# KiCad board DQBSCEEEEEE.kicad_pcb (continued)
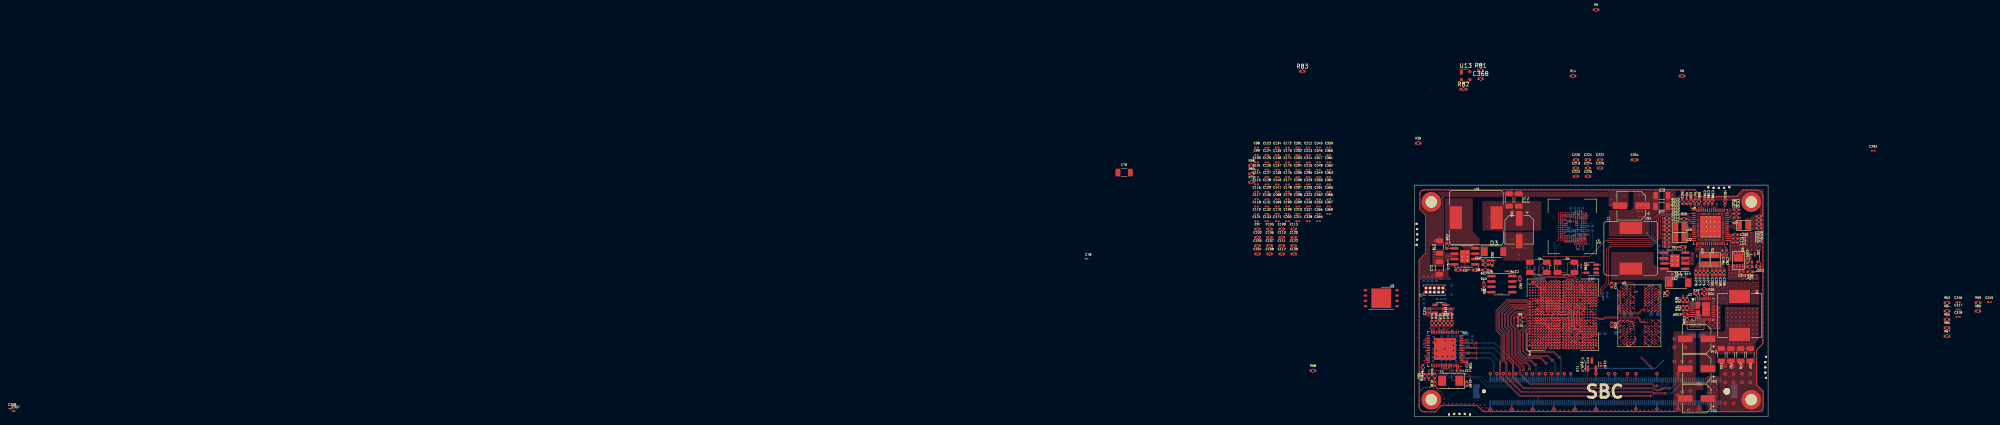
[diagram p0: board, top side]
## Library data of the parts
C46 C51 C54 C66 C67 = -: Part Number: GYC1H330MCW1GS; Voltage: 30V
C47 C49 C52 C53 C71 C73 C74 C77 = -: Description: Unpolarized capacitor; VOLTAGE: 30V
C48 C50 C55 C56 C58-C60 C62-C64 C72 C75 C76 C78 C79 C279 C357 C358 = -: Description: Unpolarized capacitor; VOLTAGE: 16V
C57 C61 C354 = -: Description: Unpolarized capacitor; VOLTAGE: 10V
C83-C141 C168-C181 C190 C199-C215 C246-C257 C295 C315 C319 C320 C323 C336-C338 C345-C353 C355 C356 C359-C367 C369 = -: Description: Unpolarized capacitor, small symbol; Voltage: 6.3V
C166 C167 C182-C189 C191-C198 C217-C245 C258-C278 C281-C288 C290-C294 C296-C314 C316-C318 C321 C322 C324-C326 C328-C335 C339-C344 C368 = -: Description: Unpolarized capacitor, small symbol; Voltage: V
C327 = -: Description: Unpolarized capacitor, small symbol; Voltage: 10V
D1-D4 = -: Description: Schottky diode
FB2 FB4 = -: Description: Ferrite bead, small symbol
H1-H4 = -: Description: Mounting Hole with connection
J2 = -: Description: Generic connector, double row, 02x05, odd/even pin numbering scheme (row 1 odd numbers, row 2 even numbers), script generated (kicad-library-utils/schlib/autogen/connector/)
L9 = -: Description: Inductor; Part Number: IHLP4040DZER4R7MA1
L10 L11 = -: Description: Inductor; Part Number: SRR1280-470M
L15 L22-L25 = -: Description: Inductor; Part Number: 74404024010
Q2 = -: Description: N-MOSFET transistor, drain/gate/source
R2-R83 = -: Description: Resistor, US symbol
U5 = -: Description: Single Port Gigabit Ethernet, GMII/RGMII/MII/RMII Interfaces, QFN-68
Y1 = -: Description: Two pin crystal
Y4 Y5 = -: Description: Four pin crystal, GND on pins 2 and 4

## Footprints (pads in the part's own frame, mm; a bottom-side part is the same pattern mirrored in y, then rotated)
200-Ball TFBGA – 10mm x 14.5mm x 1.1mm
  round 0.27 smd: A1(-4.4,6.825) A2(-3.6,6.825) A3(-2.8,6.825) A4(-2,6.825) A5(-1.2,6.825) A8(1.2,6.825) A9(2,6.825) A10(2.8,6.825) A11(3.6,6.825) A12(4.4,6.825) AA1(-4.4,-6.175) AA2(-3.6,-6.175) AA3(-2.8,-6.175) AA4(-2,-6.175) AA5(-1.2,-6.175) AA8(1.2,-6.175) AA9(2,-6.175) AA10(2.8,-6.175) AA11(3.6,-6.175) AA12(4.4,-6.175) AB1(-4.4,-6.825) AB2(-3.6,-6.825) AB3(-2.8,-6.825) AB4(-2,-6.825) AB5(-1.2,-6.825) AB8(1.2,-6.825) AB9(2,-6.825) AB10(2.8,-6.825) AB11(3.6,-6.825) AB12(4.4,-6.825) B1(-4.4,6.175) B2(-3.6,6.175) B3(-2.8,6.175) B4(-2,6.175) B5(-1.2,6.175) B8(1.2,6.175) B9(2,6.175) B10(2.8,6.175) B11(3.6,6.175) B12(4.4,6.175) C1(-4.4,5.525) C2(-3.6,5.525) C3(-2.8,5.525) C4(-2,5.525) C5(-1.2,5.525) C8(1.2,5.525) C9(2,5.525) C10(2.8,5.525) C11(3.6,5.525) C12(4.4,5.525) D1(-4.4,4.875) D2(-3.6,4.875) D3(-2.8,4.875) D4(-2,4.875) D5(-1.2,4.875) D8(1.2,4.875) D9(2,4.875) D10(2.8,4.875) D11(3.6,4.875) D12(4.4,4.875) E1(-4.4,4.225) E2(-3.6,4.225) E3(-2.8,4.225) E4(-2,4.225) E5(-1.2,4.225) E8(1.2,4.225) E9(2,4.225) E10(2.8,4.225) E11(3.6,4.225) E12(4.4,4.225) F1(-4.4,3.575) F2(-3.6,3.575) F3(-2.8,3.575) F4(-2,3.575) F5(-1.2,3.575) F8(1.2,3.575) F9(2,3.575) F10(2.8,3.575) F11(3.6,3.575) F12(4.4,3.575) G1(-4.4,2.925) G2(-3.6,2.925) G3(-2.8,2.925) G4(-2,2.925) G5(-1.2,2.925) G8(1.2,2.925) G9(2,2.925) G10(2.8,2.925) G11(3.6,2.925) G12(4.4,2.925) H1(-4.4,2.275) H2(-3.6,2.275) H3(-2.8,2.275) H4(-2,2.275) H5(-1.2,2.275) H8(1.2,2.275) H9(2,2.275) H10(2.8,2.275) H11(3.6,2.275) H12(4.4,2.275) J1(-4.4,1.625) J2(-3.6,1.625) J3(-2.8,1.625) J4(-2,1.625) J5(-1.2,1.625) J8(1.2,1.625) J9(2,1.625) J10(2.8,1.625) J11(3.6,1.625) J12(4.4,1.625) K1(-4.4,0.975) K2(-3.6,0.975) K3(-2.8,0.975) K4(-2,0.975) K5(-1.2,0.975) K8(1.2,0.975) K9(2,0.975) K10(2.8,0.975) K11(3.6,0.975) K12(4.4,0.975) N1(-4.4,-0.975) N2(-3.6,-0.975) N3(-2.8,-0.975) N4(-2,-0.975) N5(-1.2,-0.975) N8(1.2,-0.975) N9(2,-0.975) N10(2.8,-0.975) N11(3.6,-0.975) N12(4.4,-0.975) P1(-4.4,-1.625) P2(-3.6,-1.625) P3(-2.8,-1.625) P4(-2,-1.625) P5(-1.2,-1.625) P8(1.2,-1.625) P9(2,-1.625) P10(2.8,-1.625) P11(3.6,-1.625) P12(4.4,-1.625) R1(-4.4,-2.275) R2(-3.6,-2.275) R3(-2.8,-2.275) R4(-2,-2.275) R5(-1.2,-2.275) R8(1.2,-2.275) R9(2,-2.275) R10(2.8,-2.275) R11(3.6,-2.275) R12(4.4,-2.275) T1(-4.4,-2.925) T2(-3.6,-2.925) T3(-2.8,-2.925) T4(-2,-2.925) T5(-1.2,-2.925) T8(1.2,-2.925) T9(2,-2.925) T10(2.8,-2.925) T11(3.6,-2.925) T12(4.4,-2.925) U1(-4.4,-3.575) U2(-3.6,-3.575) U3(-2.8,-3.575) U4(-2,-3.575) U5(-1.2,-3.575) U8(1.2,-3.575) U9(2,-3.575) U10(2.8,-3.575) U11(3.6,-3.575) U12(4.4,-3.575) V1(-4.4,-4.225) V2(-3.6,-4.225) V3(-2.8,-4.225) V4(-2,-4.225) V5(-1.2,-4.225) V8(1.2,-4.225) V9(2,-4.225) V10(2.8,-4.225) V11(3.6,-4.225) V12(4.4,-4.225) W1(-4.4,-4.875) W2(-3.6,-4.875) W3(-2.8,-4.875) W4(-2,-4.875) W5(-1.2,-4.875) W8(1.2,-4.875) W9(2,-4.875) W10(2.8,-4.875) W11(3.6,-4.875) W12(4.4,-4.875) Y1(-4.4,-5.525) Y2(-3.6,-5.525) Y3(-2.8,-5.525) Y4(-2,-5.525) Y5(-1.2,-5.525) Y8(1.2,-5.525) Y9(2,-5.525) Y10(2.8,-5.525) Y11(3.6,-5.525) Y12(4.4,-5.525)
74404024010
  rect 1.1x2 smd: 1(0.95,0) 2(-0.95,0)
BGA153N50P14X14_1300X1150X80
  oval 0.2x0.35 smd: A1(-3.25,3.25) A2(-2.75,3.25) A3(-2.25,3.25) A4(-1.75,3.25) A5(-1.25,3.25) A6(-0.75,3.25) A7(-0.25,3.25) A8(0.25,3.25) A9(0.75,3.25) A10(1.25,3.25) A11(1.75,3.25) A12(2.25,3.25) A13(2.75,3.25) A14(3.25,3.25) P1(-3.25,-3.25) P2(-2.75,-3.25) P3(-2.25,-3.25) P4(-1.75,-3.25) P5(-1.25,-3.25) P6(-0.75,-3.25) P7(-0.25,-3.25) P8(0.25,-3.25) P9(0.75,-3.25) P10(1.25,-3.25) P11(1.75,-3.25) P12(2.25,-3.25) P13(2.75,-3.25) P14(3.25,-3.25)
  oval 0.35x0.2 smd: B1(-3.25,2.75) B14(3.25,2.75) C1(-3.25,2.25) C14(3.25,2.25) D1(-3.25,1.75) D14(3.25,1.75) E1(-3.25,1.25) E14(3.25,1.25) F1(-3.25,0.75) F14(3.25,0.75) G1(-3.25,0.25) G14(3.25,0.25) H1(-3.25,-0.25) H14(3.25,-0.25) J1(-3.25,-0.75) J14(3.25,-0.75) K1(-3.25,-1.25) K14(3.25,-1.25) L1(-3.25,-1.75) L14(3.25,-1.75) M1(-3.25,-2.25) M14(3.25,-2.25) N1(-3.25,-2.75) N14(3.25,-2.75)
  round 0.35 smd: B2(-2.75,2.75) B3(-2.25,2.75) B4(-1.75,2.75) B5(-1.25,2.75) B6(-0.75,2.75) B7(-0.25,2.75) B8(0.25,2.75) B9(0.75,2.75) B10(1.25,2.75) B11(1.75,2.75) B12(2.25,2.75) B13(2.75,2.75) C2(-2.75,2.25) C3(-2.25,2.25) C4(-1.75,2.25) C5(-1.25,2.25) C6(-0.75,2.25) C7(-0.25,2.25) C8(0.25,2.25) C9(0.75,2.25) C10(1.25,2.25) C11(1.75,2.25) C12(2.25,2.25) C13(2.75,2.25) D2(-2.75,1.75) D3(-2.25,1.75) D4(-1.75,1.75) D12(2.25,1.75) D13(2.75,1.75) E2(-2.75,1.25) E3(-2.25,1.25) E5(-1.25,1.25) E6(-0.75,1.25) E7(-0.25,1.25) E8(0.25,1.25) E9(0.75,1.25) E10(1.25,1.25) E12(2.25,1.25) E13(2.75,1.25) F2(-2.75,0.75) F3(-2.25,0.75) F5(-1.25,0.75) F10(1.25,0.75) F12(2.25,0.75) F13(2.75,0.75) G2(-2.75,0.25) G3(-2.25,0.25) G5(-1.25,0.25) G10(1.25,0.25) G12(2.25,0.25) G13(2.75,0.25) H2(-2.75,-0.25) H3(-2.25,-0.25) H5(-1.25,-0.25) H10(1.25,-0.25) H12(2.25,-0.25) H13(2.75,-0.25) J2(-2.75,-0.75) J3(-2.25,-0.75) J5(-1.25,-0.75) J10(1.25,-0.75) J12(2.25,-0.75) J13(2.75,-0.75) K2(-2.75,-1.25) K3(-2.25,-1.25) K5(-1.25,-1.25) K6(-0.75,-1.25) K7(-0.25,-1.25) K8(0.25,-1.25) K9(0.75,-1.25) K10(1.25,-1.25) K12(2.25,-1.25) K13(2.75,-1.25) L2(-2.75,-1.75) L3(-2.25,-1.75) L12(2.25,-1.75) L13(2.75,-1.75) M2(-2.75,-2.25) M3(-2.25,-2.25) M4(-1.75,-2.25) M5(-1.25,-2.25) M6(-0.75,-2.25) M7(-0.25,-2.25) M8(0.25,-2.25) M9(0.75,-2.25) M10(1.25,-2.25) M11(1.75,-2.25) M12(2.25,-2.25) M13(2.75,-2.25) N2(-2.75,-2.75) N3(-2.25,-2.75) N4(-1.75,-2.75) N5(-1.25,-2.75) N6(-0.75,-2.75) N7(-0.25,-2.75) N8(0.25,-2.75) N9(0.75,-2.75) N10(1.25,-2.75) N11(1.75,-2.75) N12(2.25,-2.75) N13(2.75,-2.75)
BGA621C65P25X25_1700X1700X218N
  oval 0.3x0.43 smd: A2(-7.15,7.8) A3(-6.5,7.8) A4(-5.85,7.8) A5(-5.2,7.8) A6(-4.55,7.8) A7(-3.9,7.8) A8(-3.25,7.8) A9(-2.6,7.8) A10(-1.95,7.8) A11(-1.3,7.8) A12(-0.65,7.8) A13(0,7.8) A14(0.65,7.8) A15(1.3,7.8) A16(1.95,7.8) A17(2.6,7.8) A18(3.25,7.8) A19(3.9,7.8) A20(4.55,7.8) A21(5.2,7.8) A22(5.85,7.8) A23(6.5,7.8) A24(7.15,7.8) AE2(-7.15,-7.8) AE3(-6.5,-7.8) AE4(-5.85,-7.8) AE5(-5.2,-7.8) AE6(-4.55,-7.8) AE7(-3.9,-7.8) AE8(-3.25,-7.8) AE9(-2.6,-7.8) AE10(-1.95,-7.8) AE11(-1.3,-7.8) AE12(-0.65,-7.8) AE13(0,-7.8) AE14(0.65,-7.8) AE15(1.3,-7.8) AE16(1.95,-7.8) AE17(2.6,-7.8) AE18(3.25,-7.8) AE19(3.9,-7.8) AE20(4.55,-7.8) AE21(5.2,-7.8) AE22(5.85,-7.8) AE23(6.5,-7.8) AE24(7.15,-7.8)
  oval 0.43x0.3 smd: AA1(-7.8,-5.2) AA25(7.8,-5.2) AB1(-7.8,-5.85) AB25(7.8,-5.85) AC1(-7.8,-6.5) AC25(7.8,-6.5) AD1(-7.8,-7.15) AD25(7.8,-7.15) B1(-7.8,7.15) B25(7.8,7.15) C1(-7.8,6.5) C25(7.8,6.5) D1(-7.8,5.85) D25(7.8,5.85) E1(-7.8,5.2) E25(7.8,5.2) F1(-7.8,4.55) F25(7.8,4.55) G1(-7.8,3.9) G25(7.8,3.9) H1(-7.8,3.25) H25(7.8,3.25) J1(-7.8,2.6) J25(7.8,2.6) K1(-7.8,1.95) K25(7.8,1.95) L1(-7.8,1.3) L25(7.8,1.3) M1(-7.8,0.65) M25(7.8,0.65) N1(-7.8,0) N25(7.8,0) P1(-7.8,-0.65) P25(7.8,-0.65) R1(-7.8,-1.3) R25(7.8,-1.3) T1(-7.8,-1.95) T25(7.8,-1.95) U1(-7.8,-2.6) U25(7.8,-2.6) V1(-7.8,-3.25) V25(7.8,-3.25) W1(-7.8,-3.9) W25(7.8,-3.9) Y1(-7.8,-4.55) Y25(7.8,-4.55)
  round 0.39 smd: AA2(-7.15,-5.2) AA3(-6.5,-5.2) AA4(-5.85,-5.2) AA5(-5.2,-5.2) AA6(-4.55,-5.2) AA7(-3.9,-5.2) AA8(-3.25,-5.2) AA9(-2.6,-5.2) AA10(-1.95,-5.2) AA11(-1.3,-5.2) AA12(-0.65,-5.2) AA13(0,-5.2) AA14(0.65,-5.2) AA15(1.3,-5.2) AA16(1.95,-5.2) AA17(2.6,-5.2) AA18(3.25,-5.2) AA19(3.9,-5.2) AA20(4.55,-5.2) AA21(5.2,-5.2) AA22(5.85,-5.2) AA23(6.5,-5.2) AA24(7.15,-5.2) AB2(-7.15,-5.85) AB3(-6.5,-5.85) AB4(-5.85,-5.85) AB5(-5.2,-5.85) AB6(-4.55,-5.85) AB7(-3.9,-5.85) AB8(-3.25,-5.85) AB9(-2.6,-5.85) AB10(-1.95,-5.85) AB11(-1.3,-5.85) AB12(-0.65,-5.85) AB13(0,-5.85) AB14(0.65,-5.85) AB15(1.3,-5.85) AB16(1.95,-5.85) AB17(2.6,-5.85) AB18(3.25,-5.85) AB19(3.9,-5.85) AB20(4.55,-5.85) AB21(5.2,-5.85) AB22(5.85,-5.85) AB23(6.5,-5.85) AB24(7.15,-5.85) AC2(-7.15,-6.5) AC3(-6.5,-6.5) AC4(-5.85,-6.5) AC5(-5.2,-6.5) AC6(-4.55,-6.5) AC7(-3.9,-6.5) AC8(-3.25,-6.5) AC9(-2.6,-6.5) AC10(-1.95,-6.5) AC11(-1.3,-6.5) AC12(-0.65,-6.5) AC13(0,-6.5) AC14(0.65,-6.5) AC15(1.3,-6.5) AC16(1.95,-6.5) AC17(2.6,-6.5) AC18(3.25,-6.5) AC19(3.9,-6.5) AC20(4.55,-6.5) AC21(5.2,-6.5) AC22(5.85,-6.5) AC23(6.5,-6.5) AC24(7.15,-6.5) AD2(-7.15,-7.15) AD3(-6.5,-7.15) AD4(-5.85,-7.15) AD5(-5.2,-7.15) AD6(-4.55,-7.15) AD7(-3.9,-7.15) AD8(-3.25,-7.15) AD9(-2.6,-7.15) AD10(-1.95,-7.15) AD11(-1.3,-7.15) AD12(-0.65,-7.15) AD13(0,-7.15) AD14(0.65,-7.15) AD15(1.3,-7.15) AD16(1.95,-7.15) AD17(2.6,-7.15) AD18(3.25,-7.15) AD19(3.9,-7.15) AD20(4.55,-7.15) AD21(5.2,-7.15) AD22(5.85,-7.15) AD23(6.5,-7.15) AD24(7.15,-7.15) B2(-7.15,7.15) B3(-6.5,7.15) B4(-5.85,7.15) B5(-5.2,7.15) B6(-4.55,7.15) B7(-3.9,7.15) B8(-3.25,7.15) B9(-2.6,7.15) B10(-1.95,7.15) B11(-1.3,7.15) B12(-0.65,7.15) B13(0,7.15) B14(0.65,7.15) B15(1.3,7.15) B16(1.95,7.15) B17(2.6,7.15) B18(3.25,7.15) B19(3.9,7.15) B20(4.55,7.15) B21(5.2,7.15) B22(5.85,7.15) B23(6.5,7.15) B24(7.15,7.15) C2(-7.15,6.5) C3(-6.5,6.5) C4(-5.85,6.5) C5(-5.2,6.5) C6(-4.55,6.5) C7(-3.9,6.5) C8(-3.25,6.5) C9(-2.6,6.5) C10(-1.95,6.5) C11(-1.3,6.5) C12(-0.65,6.5) C13(0,6.5) C14(0.65,6.5) C15(1.3,6.5) C16(1.95,6.5) C17(2.6,6.5) C18(3.25,6.5) C19(3.9,6.5) C20(4.55,6.5) C21(5.2,6.5) C22(5.85,6.5) C23(6.5,6.5) C24(7.15,6.5) D2(-7.15,5.85) D3(-6.5,5.85) D4(-5.85,5.85) D5(-5.2,5.85) D6(-4.55,5.85) D7(-3.9,5.85) D8(-3.25,5.85) D9(-2.6,5.85) D10(-1.95,5.85) D11(-1.3,5.85) D12(-0.65,5.85) D13(0,5.85) D14(0.65,5.85) D15(1.3,5.85) D16(1.95,5.85) D17(2.6,5.85) D18(3.25,5.85) D19(3.9,5.85) D20(4.55,5.85) D21(5.2,5.85) D22(5.85,5.85) D23(6.5,5.85) D24(7.15,5.85) E2(-7.15,5.2) E3(-6.5,5.2) E4(-5.85,5.2) E5(-5.2,5.2) E6(-4.55,5.2) E7(-3.9,5.2) E8(-3.25,5.2) E9(-2.6,5.2) E10(-1.95,5.2) E11(-1.3,5.2) E12(-0.65,5.2) E13(0,5.2) E14(0.65,5.2) E15(1.3,5.2) E16(1.95,5.2) E17(2.6,5.2) E18(3.25,5.2) E19(3.9,5.2) E20(4.55,5.2) E21(5.2,5.2) E22(5.85,5.2) E23(6.5,5.2) E24(7.15,5.2) F2(-7.15,4.55) F3(-6.5,4.55) F4(-5.85,4.55) F5(-5.2,4.55) F6(-4.55,4.55) F7(-3.9,4.55) F8(-3.25,4.55) F9(-2.6,4.55) F10(-1.95,4.55) F11(-1.3,4.55) F12(-0.65,4.55) F13(0,4.55) F14(0.65,4.55) F15(1.3,4.55) F16(1.95,4.55) F17(2.6,4.55) F18(3.25,4.55) F19(3.9,4.55) F20(4.55,4.55) F21(5.2,4.55) F22(5.85,4.55) F23(6.5,4.55) F24(7.15,4.55) G2(-7.15,3.9) G3(-6.5,3.9) G4(-5.85,3.9) G5(-5.2,3.9) G6(-4.55,3.9) G7(-3.9,3.9) G8(-3.25,3.9) G9(-2.6,3.9) G10(-1.95,3.9) G11(-1.3,3.9) G12(-0.65,3.9) G13(0,3.9) G14(0.65,3.9) G15(1.3,3.9) G16(1.95,3.9) G17(2.6,3.9) G18(3.25,3.9) G19(3.9,3.9) G20(4.55,3.9) G21(5.2,3.9) G22(5.85,3.9) G23(6.5,3.9) G24(7.15,3.9) H2(-7.15,3.25) H3(-6.5,3.25) H4(-5.85,3.25) H5(-5.2,3.25) H6(-4.55,3.25) H7(-3.9,3.25) H8(-3.25,3.25) H9(-2.6,3.25) H10(-1.95,3.25) H11(-1.3,3.25) H12(-0.65,3.25) H13(0,3.25) H14(0.65,3.25) H15(1.3,3.25) H16(1.95,3.25) H17(2.6,3.25) H18(3.25,3.25) H19(3.9,3.25) H20(4.55,3.25) H21(5.2,3.25) H22(5.85,3.25) H23(6.5,3.25) H24(7.15,3.25) J2(-7.15,2.6) J3(-6.5,2.6) J4(-5.85,2.6) J5(-5.2,2.6) J6(-4.55,2.6) J7(-3.9,2.6) J8(-3.25,2.6) J9(-2.6,2.6) J10(-1.95,2.6) J11(-1.3,2.6) J12(-0.65,2.6) J13(0,2.6) J14(0.65,2.6) J15(1.3,2.6) J16(1.95,2.6) J17(2.6,2.6) J18(3.25,2.6) J19(3.9,2.6) J20(4.55,2.6) J21(5.2,2.6) J22(5.85,2.6) J23(6.5,2.6) J24(7.15,2.6) K2(-7.15,1.95) K3(-6.5,1.95) K4(-5.85,1.95) K5(-5.2,1.95) K6(-4.55,1.95) K7(-3.9,1.95) K8(-3.25,1.95) K9(-2.6,1.95) K10(-1.95,1.95) K11(-1.3,1.95) K12(-0.65,1.95) K13(0,1.95) K14(0.65,1.95) K15(1.3,1.95) K16(1.95,1.95) K17(2.6,1.95) K18(3.25,1.95) K19(3.9,1.95) K20(4.55,1.95) K21(5.2,1.95) K22(5.85,1.95) K23(6.5,1.95) K24(7.15,1.95) L2(-7.15,1.3) L3(-6.5,1.3) L4(-5.85,1.3) L5(-5.2,1.3) L6(-4.55,1.3) L7(-3.9,1.3) L8(-3.25,1.3) L9(-2.6,1.3) L10(-1.95,1.3) L11(-1.3,1.3) L12(-0.65,1.3) L13(0,1.3) L14(0.65,1.3) L15(1.3,1.3) L16(1.95,1.3) L17(2.6,1.3) L18(3.25,1.3) L19(3.9,1.3) L20(4.55,1.3) L21(5.2,1.3) L22(5.85,1.3) L23(6.5,1.3) L24(7.15,1.3) M2(-7.15,0.65) M3(-6.5,0.65) M4(-5.85,0.65) M5(-5.2,0.65) M6(-4.55,0.65) M7(-3.9,0.65) M8(-3.25,0.65) M9(-2.6,0.65) M10(-1.95,0.65) M11(-1.3,0.65) M12(-0.65,0.65) M13(0,0.65) M14(0.65,0.65) M15(1.3,0.65) M16(1.95,0.65) M17(2.6,0.65) M18(3.25,0.65) M19(3.9,0.65) M20(4.55,0.65) M21(5.2,0.65) M22(5.85,0.65) M23(6.5,0.65) M24(7.15,0.65) N2(-7.15,0) N3(-6.5,0) N4(-5.85,0) N5(-5.2,0) N6(-4.55,0) N7(-3.9,0) N8(-3.25,0) N9(-2.6,0) N10(-1.95,0) N11(-1.3,0) N12(-0.65,0) N13(0,0) N14(0.65,0) N15(1.3,0) N16(1.95,0) N17(2.6,0) N18(3.25,0) N19(3.9,0) N20(4.55,0) N21(5.2,0) N22(5.85,0) N23(6.5,0) N24(7.15,0) P2(-7.15,-0.65) P3(-6.5,-0.65) P4(-5.85,-0.65) P5(-5.2,-0.65) P6(-4.55,-0.65) P7(-3.9,-0.65) P8(-3.25,-0.65) P9(-2.6,-0.65) P10(-1.95,-0.65) P11(-1.3,-0.65) P12(-0.65,-0.65) P13(0,-0.65) P14(0.65,-0.65) P15(1.3,-0.65) P16(1.95,-0.65) P17(2.6,-0.65) P18(3.25,-0.65) P19(3.9,-0.65) P20(4.55,-0.65) P21(5.2,-0.65) P22(5.85,-0.65) P23(6.5,-0.65) P24(7.15,-0.65) R2(-7.15,-1.3) R3(-6.5,-1.3) R4(-5.85,-1.3) R5(-5.2,-1.3) R6(-4.55,-1.3) R7(-3.9,-1.3) R8(-3.25,-1.3) R9(-2.6,-1.3) R10(-1.95,-1.3) R11(-1.3,-1.3) R12(-0.65,-1.3) R13(0,-1.3) R14(0.65,-1.3) R15(1.3,-1.3) R16(1.95,-1.3) R17(2.6,-1.3) R18(3.25,-1.3) R19(3.9,-1.3) R20(4.55,-1.3) R21(5.2,-1.3) R22(5.85,-1.3) R23(6.5,-1.3) R24(7.15,-1.3) T2(-7.15,-1.95) T3(-6.5,-1.95) T4(-5.85,-1.95) T5(-5.2,-1.95) T6(-4.55,-1.95) T7(-3.9,-1.95) T8(-3.25,-1.95) T9(-2.6,-1.95) T10(-1.95,-1.95) T11(-1.3,-1.95) T12(-0.65,-1.95) T13(0,-1.95) T14(0.65,-1.95) T15(1.3,-1.95) T16(1.95,-1.95) T17(2.6,-1.95) T18(3.25,-1.95) T19(3.9,-1.95) T20(4.55,-1.95) T21(5.2,-1.95) T22(5.85,-1.95) T23(6.5,-1.95) T24(7.15,-1.95) U2(-7.15,-2.6) U3(-6.5,-2.6) U4(-5.85,-2.6) U5(-5.2,-2.6) U6(-4.55,-2.6) U7(-3.9,-2.6) U8(-3.25,-2.6) U9(-2.6,-2.6) U10(-1.95,-2.6) U11(-1.3,-2.6) U12(-0.65,-2.6) U13(0,-2.6) U14(0.65,-2.6) U15(1.3,-2.6) U16(1.95,-2.6) U17(2.6,-2.6) U18(3.25,-2.6) U19(3.9,-2.6) U20(4.55,-2.6) U21(5.2,-2.6) U22(5.85,-2.6) U23(6.5,-2.6) U24(7.15,-2.6) V2(-7.15,-3.25) V3(-6.5,-3.25) V4(-5.85,-3.25) V5(-5.2,-3.25) V6(-4.55,-3.25) V7(-3.9,-3.25) V8(-3.25,-3.25) V9(-2.6,-3.25) V10(-1.95,-3.25) V11(-1.3,-3.25) V12(-0.65,-3.25) V13(0,-3.25) V14(0.65,-3.25) V15(1.3,-3.25) V16(1.95,-3.25) V17(2.6,-3.25) V18(3.25,-3.25) V19(3.9,-3.25) V20(4.55,-3.25) V21(5.2,-3.25) V22(5.85,-3.25) V23(6.5,-3.25) V24(7.15,-3.25) W2(-7.15,-3.9) W3(-6.5,-3.9) W4(-5.85,-3.9) W5(-5.2,-3.9) W6(-4.55,-3.9) W7(-3.9,-3.9) W8(-3.25,-3.9) W9(-2.6,-3.9) W10(-1.95,-3.9) W11(-1.3,-3.9) W12(-0.65,-3.9) W13(0,-3.9) W14(0.65,-3.9) W15(1.3,-3.9) W16(1.95,-3.9) W17(2.6,-3.9) W18(3.25,-3.9) W19(3.9,-3.9) W20(4.55,-3.9) W21(5.2,-3.9) W22(5.85,-3.9) W23(6.5,-3.9) W24(7.15,-3.9) Y2(-7.15,-4.55) Y3(-6.5,-4.55) Y4(-5.85,-4.55) Y5(-5.2,-4.55) Y6(-4.55,-4.55) Y7(-3.9,-4.55) Y8(-3.25,-4.55) Y9(-2.6,-4.55) Y10(-1.95,-4.55) Y11(-1.3,-4.55) Y12(-0.65,-4.55) Y13(0,-4.55) Y14(0.65,-4.55) Y15(1.3,-4.55) Y16(1.95,-4.55) Y17(2.6,-4.55) Y18(3.25,-4.55) Y19(3.9,-4.55) Y20(4.55,-4.55) Y21(5.2,-4.55) Y22(5.85,-4.55) Y23(6.5,-4.55) Y24(7.15,-4.55)
C0201_L
  rect 0.36x0.32 smd: 1(-0.28,0) 2(0.28,0)
C_0201_0603Metric
  rrect 0.318x0.36 smd: (-0.345,0) (0.345,0)
  rrect 0.46x0.4 smd: 1(-0.32,0) 2(0.32,0)
C_0402_1005Metric
  rrect 0.56x0.62 smd: 1(-0.48,0) 2(0.48,0)
C_0402_1005Metric_Pad0.74x0.62mm_HandSolder
  rrect 0.735x0.62 smd: 1(-0.568,0) 2(0.568,0)
C_0603_1608Metric
  rrect 0.9x0.95 smd: 1(-0.775,0) 2(0.775,0)
C_1206_3216Metric
  rrect 1.15x1.8 smd: 1(-1.475,0) 2(1.475,0)
CONN_3-1827253-6
  round 1.6 hole 1.6 unplated: (-28.85,0)
  round 0.9 hole 0.9 unplated: (28.85,0)
  rect 1.4x3.3 smd: 221(-30.7,0) 222(30.7,0)
  rect 0.25x0.85 smd: 221.1(-29.875,1.225) 221.2(-29.875,-1.225) 222.1(29.875,1.225) 222.2(29.875,-1.225)
  rect 0.45x1.2 smd: A1(27.325,2.7) A110(-27.325,2.7) B1(27.325,-2.7) B110(-27.325,-2.7)
  rect 0.3x1.2 smd: A2(26.75,2.7) A3(26.25,2.7) A4(25.75,2.7) A5(25.25,2.7) A6(24.75,2.7) A7(24.25,2.7) A8(23.75,2.7) A9(23.25,2.7) A10(22.75,2.7) A11(22.25,2.7) A12(21.75,2.7) A13(21.25,2.7) A14(20.75,2.7) A15(20.25,2.7) A16(19.75,2.7) A17(19.25,2.7) A18(18.75,2.7) A19(18.25,2.7) A20(17.75,2.7) A21(17.25,2.7) A22(16.75,2.7) A23(16.25,2.7) A24(15.75,2.7) A25(15.25,2.7) A26(14.75,2.7) A27(14.25,2.7) A28(13.75,2.7) A29(13.25,2.7) A30(12.75,2.7) A31(12.25,2.7) A32(11.75,2.7) A33(11.25,2.7) A34(10.75,2.7) A35(10.25,2.7) A36(9.75,2.7) A37(9.25,2.7) A38(8.75,2.7) A39(8.25,2.7) A40(7.75,2.7) A41(7.25,2.7) A42(6.75,2.7) A43(6.25,2.7) A44(5.75,2.7) A45(5.25,2.7) A46(4.75,2.7) A47(4.25,2.7) A48(3.75,2.7) A49(3.25,2.7) A50(2.75,2.7) A51(2.25,2.7) A52(1.75,2.7) A53(1.25,2.7) A54(0.75,2.7) A55(0.25,2.7) A56(-0.25,2.7) A57(-0.75,2.7) A58(-1.25,2.7) A59(-1.75,2.7) A60(-2.25,2.7) A61(-2.75,2.7) A62(-3.25,2.7) A63(-3.75,2.7) A64(-4.25,2.7) A65(-4.75,2.7) A66(-5.25,2.7) A67(-5.75,2.7) A68(-6.25,2.7) A69(-6.75,2.7) A70(-7.25,2.7) A71(-7.75,2.7) A72(-8.25,2.7) A73(-8.75,2.7) A74(-9.25,2.7) A75(-9.75,2.7) A76(-10.25,2.7) A77(-10.75,2.7) A78(-11.25,2.7) A79(-11.75,2.7) A80(-12.25,2.7) A81(-12.75,2.7) A82(-13.25,2.7) A83(-13.75,2.7) A84(-14.25,2.7) A85(-14.75,2.7) A86(-15.25,2.7) A87(-15.75,2.7) A88(-16.25,2.7) A89(-16.75,2.7) A90(-17.25,2.7) A91(-17.75,2.7) A92(-18.25,2.7) A93(-18.75,2.7) A94(-19.25,2.7) A95(-19.75,2.7) A96(-20.25,2.7) A97(-20.75,2.7) A98(-21.25,2.7) A99(-21.75,2.7) A100(-22.25,2.7) A101(-22.75,2.7) A102(-23.25,2.7) A103(-23.75,2.7) A104(-24.25,2.7) A105(-24.75,2.7) A106(-25.25,2.7) A107(-25.75,2.7) A108(-26.25,2.7) A109(-26.75,2.7) B2(26.75,-2.7) B3(26.25,-2.7) B4(25.75,-2.7) B5(25.25,-2.7) B6(24.75,-2.7) B7(24.25,-2.7) B8(23.75,-2.7) B9(23.25,-2.7) B10(22.75,-2.7) B11(22.25,-2.7) B12(21.75,-2.7) B13(21.25,-2.7) B14(20.75,-2.7) B15(20.25,-2.7) B16(19.75,-2.7) B17(19.25,-2.7) B18(18.75,-2.7) B19(18.25,-2.7) B20(17.75,-2.7) B21(17.25,-2.7) B22(16.75,-2.7) B23(16.25,-2.7) B24(15.75,-2.7) B25(15.25,-2.7) B26(14.75,-2.7) B27(14.25,-2.7) B28(13.75,-2.7) B29(13.25,-2.7) B30(12.75,-2.7) B31(12.25,-2.7) B32(11.75,-2.7) B33(11.25,-2.7) B34(10.75,-2.7) B35(10.25,-2.7) B36(9.75,-2.7) B37(9.25,-2.7) B38(8.75,-2.7) B39(8.25,-2.7) B40(7.75,-2.7) B41(7.25,-2.7) B42(6.75,-2.7) B43(6.25,-2.7) B44(5.75,-2.7) B45(5.25,-2.7) B46(4.75,-2.7) B47(4.25,-2.7) B48(3.75,-2.7) B49(3.25,-2.7) B50(2.75,-2.7) B51(2.25,-2.7) B52(1.75,-2.7) B53(1.25,-2.7) B54(0.75,-2.7) B55(0.25,-2.7) B56(-0.25,-2.7) B57(-0.75,-2.7) B58(-1.25,-2.7) B59(-1.75,-2.7) B60(-2.25,-2.7) B61(-2.75,-2.7) B62(-3.25,-2.7) B63(-3.75,-2.7) B64(-4.25,-2.7) B65(-4.75,-2.7) B66(-5.25,-2.7) B67(-5.75,-2.7) B68(-6.25,-2.7) B69(-6.75,-2.7) B70(-7.25,-2.7) B71(-7.75,-2.7) B72(-8.25,-2.7) B73(-8.75,-2.7) B74(-9.25,-2.7) B75(-9.75,-2.7) B76(-10.25,-2.7) B77(-10.75,-2.7) B78(-11.25,-2.7) B79(-11.75,-2.7) B80(-12.25,-2.7) B81(-12.75,-2.7) B82(-13.25,-2.7) B83(-13.75,-2.7) B84(-14.25,-2.7) B85(-14.75,-2.7) B86(-15.25,-2.7) B87(-15.75,-2.7) B88(-16.25,-2.7) B89(-16.75,-2.7) B90(-17.25,-2.7) B91(-17.75,-2.7) B92(-18.25,-2.7) B93(-18.75,-2.7) B94(-19.25,-2.7) B95(-19.75,-2.7) B96(-20.25,-2.7) B97(-20.75,-2.7) B98(-21.25,-2.7) B99(-21.75,-2.7) B100(-22.25,-2.7) B101(-22.75,-2.7) B102(-23.25,-2.7) B103(-23.75,-2.7) B104(-24.25,-2.7) B105(-24.75,-2.7) B106(-25.25,-2.7) B107(-25.75,-2.7) B108(-26.25,-2.7) B109(-26.75,-2.7)
CP_Elec_6.3x7.7
  rrect 3.5x1.6 smd: 1(-2.7,0) 2(2.7,0)
Crystal_SMD_Abracon_ABM3-2Pin_5.0x3.2mm
  rect 1.9x2.4 smd: 1(-2.05,0) 2(2.05,0)
Crystal_SMD_Abracon_ABM3B-4Pin_5.0x3.2mm
  rect 1.8x1.2 smd: 1(-2,-1.2) 2(2,-1.2) 3(2,1.2) 4(-2,1.2)
D_SOD-128
  rect 1.4x2.1 smd: 1(-2.2,0) 2(2.2,0)
D_SOD-323
  rect 0.6x0.45 smd: 1(-1.05,0) 2(1.05,0)
IHLP-4040
  rect 3.175x4.95 smd: 1(-4.508,0) 2(4.508,0)
L_0603_1608Metric
  rrect 0.875x0.95 smd: 1(-0.787,0) 2(0.787,0)
L_Bourns_SRR1260
  rect 2.9x5.4 smd: 1(-4.85,0) 2(4.85,0)
MountingHole_2.7mm_M2.5_DIN965_Pad
  round 4.7 hole 2.7: 1(0,0)
Mouse_Bite
  round 0.5 hole 0.9 unplated: (2.8,-0.5) (4.05,-0.65) (5.3,-0.65) (6.55,-0.65) (7.8,-0.5)
PinHeader_2x05_P1.00mm_Vertical
  rect 0.85x0.85 hole 0.5: 1(0,0)
  oval 0.85x0.85 hole 0.5: 2(1,0) 3(0,-1) 4(1,-1) 5(0,-2) 6(1,-2) 7(0,-3) 8(1,-3) 9(0,-4) 10(1,-4)
POWERPAK_1212_8_S
  rect 0.99x0.405 smd: 1(0,0) 2(0,-0.66) 3(0,-1.32) 4(0,-1.98)
  rect 1.725x2.235 smd: 5(1.992,-1)
  rect 0.76x0.406 smd: 5(2.985,0) 5(2.985,-0.661) 5(2.985,-1.323) 5(2.985,-1.984)
PowerPAK_MLP55-32L
  rrect 0.875x0.25 smd: 1(-2.438,1.75) 2(-2.438,1.25) 3(-2.438,0.75) 4(-2.438,0.25) 5(-2.438,-0.25) 6(-2.438,-0.75) 7(-2.438,-1.25) 8(-2.438,-1.75) 17(2.438,-1.75) 18(2.438,-1.25) 19(2.438,-0.75) 20(2.438,-0.25) 21(2.438,0.25) 22(2.438,0.75) 23(2.438,1.25) 24(2.438,1.75)
  rrect 0.25x0.875 smd: 9(-1.75,-2.438) 10(-1.25,-2.438) 11(-0.75,-2.438) 12(-0.25,-2.438) 13(0.25,-2.438) 14(0.75,-2.438) 15(1.25,-2.438) 16(1.75,-2.438) 25(1.75,2.438) 26(1.25,2.438) 27(0.75,2.438) 28(0.25,2.438) 29(-0.25,2.438) 30(-0.75,2.438) 31(-1.25,2.438) 32(-1.75,2.438)
  rrect 1.05x1.66 smd: P1(-1.215,0.91)
  rrect 1.05x1.48 smd: P2(-1.215,-1)
  rrect 1.97x3.48 smd: P3(0.755,0)
QFN-56-1EP_8x8mm_P0.5mm_EP4.5x5.2mm_ThermalVias
  custom 0.776x0.776 smd: (-1.5,1.762) (-1.5,0.588) (-1.5,-0.588) (-1.5,-1.762) (-0.5,1.762) (-0.5,0.588) (-0.5,-0.588) (-0.5,-1.762) (0.5,1.762) (0.5,0.588) (0.5,-0.588) (0.5,-1.762) (1.5,1.762) (1.5,0.588) (1.5,-0.588) (1.5,-1.762)
  rrect 0.85x0.27 smd: 1(-3.938,3.25) 2(-3.938,2.75) 3(-3.938,2.25) 4(-3.938,1.75) 5(-3.938,1.25) 6(-3.938,0.75) 7(-3.938,0.25) 8(-3.938,-0.25) 9(-3.938,-0.75) 10(-3.938,-1.25) 11(-3.938,-1.75) 12(-3.938,-2.25) 13(-3.938,-2.75) 14(-3.938,-3.25) 29(3.938,-3.25) 30(3.938,-2.75) 31(3.938,-2.25) 32(3.938,-1.75) 33(3.938,-1.25) 34(3.938,-0.75) 35(3.938,-0.25) 36(3.938,0.25) 37(3.938,0.75) 38(3.938,1.25) 39(3.938,1.75) 40(3.938,2.25) 41(3.938,2.75) 42(3.938,3.25)
  rrect 0.27x0.85 smd: 15(-3.25,-3.938) 16(-2.75,-3.938) 17(-2.25,-3.938) 18(-1.75,-3.938) 19(-1.25,-3.938) 20(-0.75,-3.938) 21(-0.25,-3.938) 22(0.25,-3.938) 23(0.75,-3.938) 24(1.25,-3.938) 25(1.75,-3.938) 26(2.25,-3.938) 27(2.75,-3.938) 28(3.25,-3.938) 43(3.25,3.938) 44(2.75,3.938) 45(2.25,3.938) 46(1.75,3.938) 47(1.25,3.938) 48(0.75,3.938) 49(0.25,3.938) 50(-0.25,3.938) 51(-0.75,3.938) 52(-1.25,3.938) 53(-1.75,3.938) 54(-2.25,3.938) 55(-2.75,3.938) 56(-3.25,3.938)
  round 0.5 hole 0.2: 57(-2,2.35) 57(-2,1.175) 57(-2,0) 57(-2,-1.175) 57(-2,-2.35) 57(-1,2.35) 57(-1,1.175) 57(-1,0) 57(-1,-1.175) 57(-1,-2.35) 57(0,2.35) 57(0,1.175) 57(0,0) 57(0,-1.175) 57(0,-2.35) 57(1,2.35) 57(1,1.175) 57(1,0) 57(1,-1.175) 57(1,-2.35) 57(2,2.35) 57(2,1.175) 57(2,0) 57(2,-1.175) 57(2,-2.35)
  rect 4.5x5.2 smd far side: 57(0,0)
  rect 5.06x5.2 smd: 57(0,0)
QFN-68-1EP_8x8mm_P0.4mm_EP5.2x5.2mm
  rrect 1.05x1.05 smd: (-1.95,1.95) (-1.95,0.65) (-1.95,-0.65) (-1.95,-1.95) (-0.65,1.95) (-0.65,0.65) (-0.65,-0.65) (-0.65,-1.95) (0.65,1.95) (0.65,0.65) (0.65,-0.65) (0.65,-1.95) (1.95,1.95) (1.95,0.65) (1.95,-0.65) (1.95,-1.95)
  rrect 0.825x0.2 smd: 1(-3.938,3.2) 2(-3.938,2.8) 3(-3.938,2.4) 4(-3.938,2) 5(-3.938,1.6) 6(-3.938,1.2) 7(-3.938,0.8) 8(-3.938,0.4) 9(-3.938,0) 10(-3.938,-0.4) 11(-3.938,-0.8) 12(-3.938,-1.2) 13(-3.938,-1.6) 14(-3.938,-2) 15(-3.938,-2.4) 16(-3.938,-2.8) 17(-3.938,-3.2) 35(3.938,-3.2) 36(3.938,-2.8) 37(3.938,-2.4) 38(3.938,-2) 39(3.938,-1.6) 40(3.938,-1.2) 41(3.938,-0.8) 42(3.938,-0.4) 43(3.938,0) 44(3.938,0.4) 45(3.938,0.8) 46(3.938,1.2) 47(3.938,1.6) 48(3.938,2) 49(3.938,2.4) 50(3.938,2.8) 51(3.938,3.2)
  rrect 0.2x0.825 smd: 18(-3.2,-3.938) 19(-2.8,-3.938) 20(-2.4,-3.938) 21(-2,-3.938) 22(-1.6,-3.938) 23(-1.2,-3.938) 24(-0.8,-3.938) 25(-0.4,-3.938) 26(0,-3.938) 27(0.4,-3.938) 28(0.8,-3.938) 29(1.2,-3.938) 30(1.6,-3.938) 31(2,-3.938) 32(2.4,-3.938) 33(2.8,-3.938) 34(3.2,-3.938) 52(3.2,3.938) 53(2.8,3.938) 54(2.4,3.938) 55(2,3.938) 56(1.6,3.938) 57(1.2,3.938) 58(0.8,3.938) 59(0.4,3.938) 60(0,3.938) 61(-0.4,3.938) 62(-0.8,3.938) 63(-1.2,3.938) 64(-1.6,3.938) 65(-2,3.938) 66(-2.4,3.938) 67(-2.8,3.938) 68(-3.2,3.938)
  rect 5.2x5.2 smd: 69(0,0)
R_0402_1005Metric
  rrect 0.54x0.64 smd: 1(-0.51,0) 2(0.51,0)
R_0402_1005Metric_Pad0.72x0.64mm_HandSolder
  rrect 0.715x0.64 smd: 1(-0.598,0) 2(0.598,0)
SOIC-8-1EP_3.9x4.9mm_P1.27mm_EP2.29x3mm_ThermalVias
  rrect 0.96x1.25 smd: (-0.57,0.75) (-0.57,-0.75) (0.57,0.75) (0.57,-0.75)
  rrect 1.95x0.6 smd: 1(-2.475,1.905) 2(-2.475,0.635) 3(-2.475,-0.635) 4(-2.475,-1.905) 5(2.475,-1.905) 6(2.475,-0.635) 7(2.475,0.635) 8(2.475,1.905)
  round 0.5 hole 0.2: 9(-0.65,1) 9(-0.65,0) 9(-0.65,-1) 9(0.65,1) 9(0.65,0) 9(0.65,-1)
  rect 1.8x2.5 smd far side: 9(0,0)
  rect 2.29x3 smd: 9(0,0)
SOIC-8_3.9x4.9mm_P1.27mm
  rrect 1.95x0.6 smd: 1(-2.475,1.905) 2(-2.475,0.635) 3(-2.475,-0.635) 4(-2.475,-1.905) 5(2.475,-1.905) 6(2.475,-0.635) 7(2.475,0.635) 8(2.475,1.905)
SOT-23
  rrect 1.475x0.6 smd: 1(-0.938,0.95) 2(-0.938,-0.95) 3(0.938,0)
SOT-23-5
  rrect 1.325x0.6 smd: 1(-1.137,0.95) 2(-1.137,0) 3(-1.137,-0.95) 4(1.137,-0.95) 5(1.137,0.95)
SOT-143
  rect 0.7x1 smd: 1(-1,0.75)
  rect 0.7x0.6 smd: 2(-1,-0.95) 3(1,-0.95) 4(1,0.95)
SOT-323_SC-70
  rect 0.7x0.45 smd: 1(-1,0.65) 2(-1,-0.65) 3(1,0)
WSON-8-1EP_8x6mm_P1.27mm_E4.7X4.6mm
  rrect 1.37x1.61 smd: (-0.85,1) (-0.85,-1) (0.85,1) (0.85,-1)
  rrect 0.775x0.5 smd: 1(-3.75,1.905) 2(-3.75,0.635) 3(-3.75,-0.635) 4(-3.75,-1.905) 5(3.75,-1.905) 6(3.75,-0.635) 7(3.75,0.635) 8(3.75,1.905)
  rect 4.7x4.6 smd: 9(0,0)

## Nets
